# Altium PCB Fornello.PcbDoc (part 1 of 2)
Units mm, origin at the board's own origin, x right, y up, seen from the top; angles counter-clockwise.
Board outline 100.06 x 100.02 mm, 2 copper layers (Top Layer, Bottom Layer); 286 components, 164 nets, 810 pads, 343 vias.
Unrouted connection lines stored in the file: 100.
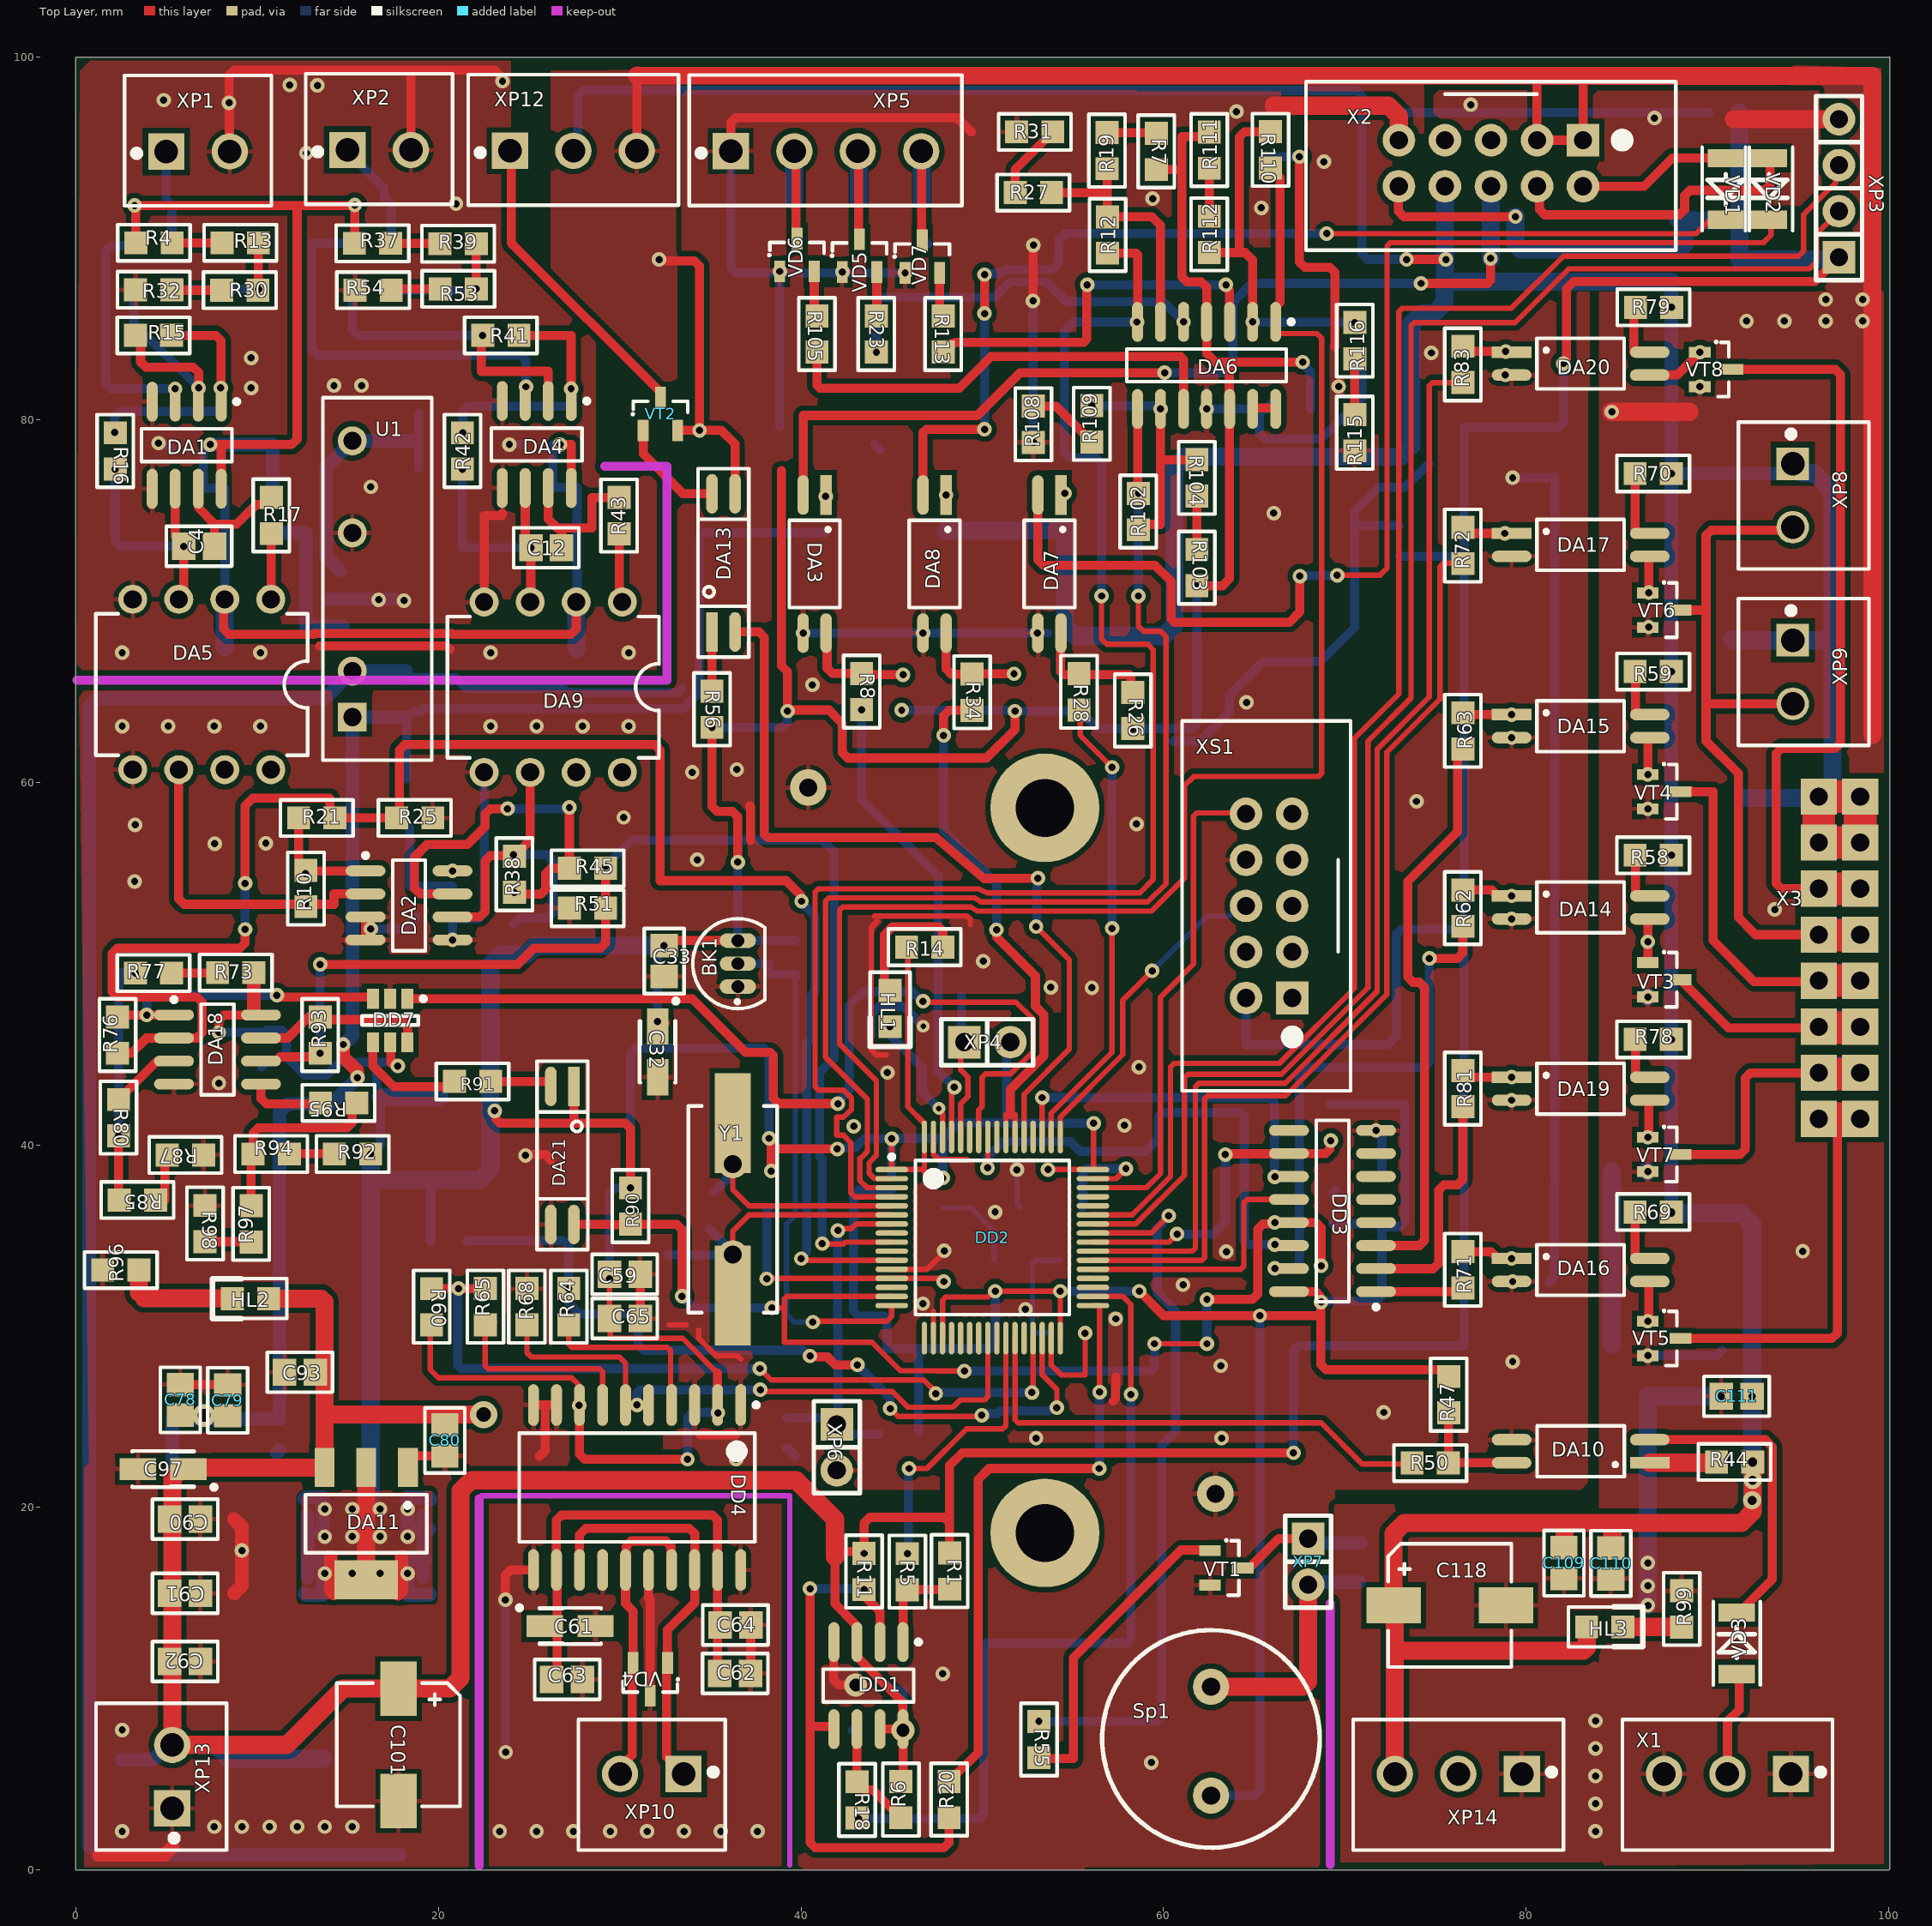
[diagram p0: Top Layer view]
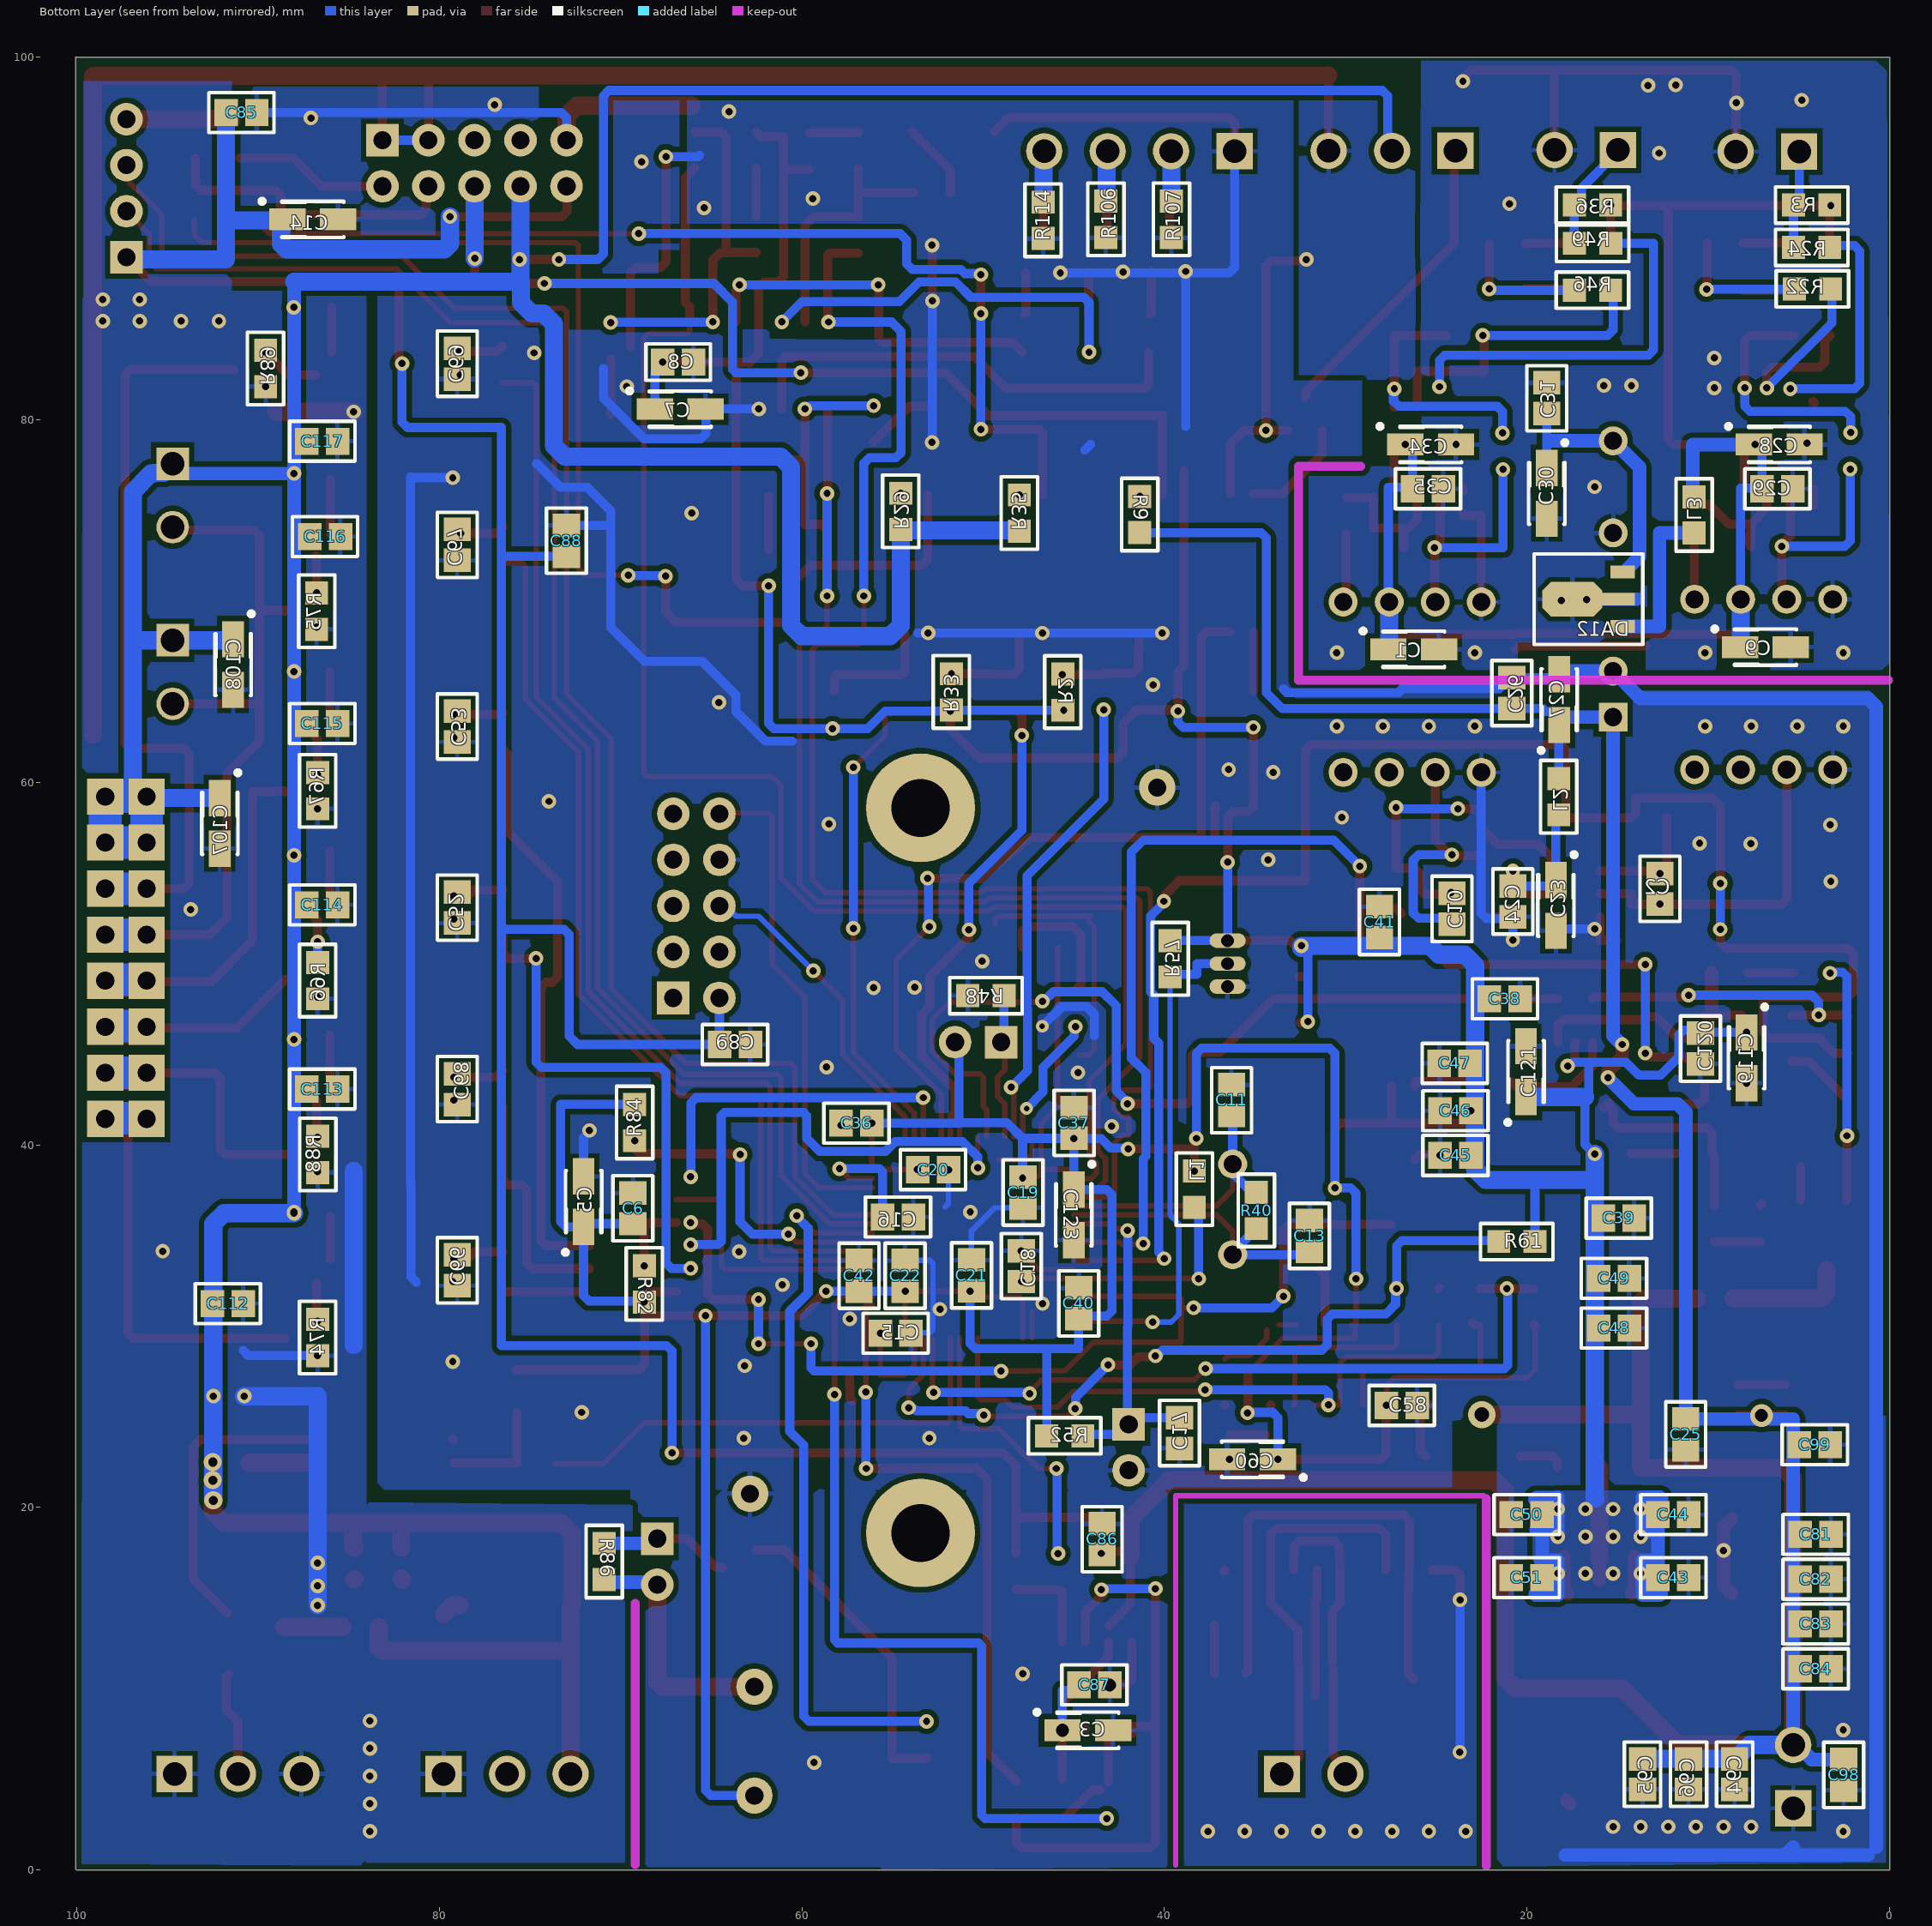
[diagram p1: Bottom Layer view, seen from below]

## Layer stack, top to bottom
Top Solder: solder mask 0.0102, Solder Resist, Dk 3.5
Top Layer: signal copper 0.0356
Dielectric 1: dielectric 0.32, FR-4, Dk 4.8
Bottom Layer: signal copper 0.0356
Bottom Solder: solder mask 0.0102, Solder Resist, Dk 3.5

## Board outline
0,0 0,100 0.028,100.016 100.028,100.016 100.056,100.019 100.056,0.019 100.003,0.002

## Design rules (kind name [scope] priority, off if disabled: settings)
Clearance Clearance_poly [inpolygon] p1: gap=0.3 ignorepadtopadclearanceinfootprint=FALSE
Clearance [All] p2: gap=0.2 ignorepadtopadclearanceinfootprint=FALSE
HoleSize [All] p1: absolutevalues=TRUE maxlimit=5 minlimit=0.3 maxpercent=80.000 minpercent=20.000
MinimumSolderMaskSliver [All] p1: minsoldermaskwidth=0.1
MinimumSolderMaskSliver SilkscreenOverComponentPads [All] p2: minsoldermaskwidth=0.254
PolygonConnect PolygonConnect_vias [isvia] p1: connectstyle=Direct reliefconductorwidth=0.254 reliefentries=4 polygonreliefangle="90 Angle" airgapwidth=0.254
PolygonConnect [All] p2: connectstyle=Relief reliefconductorwidth=0.25 reliefentries=4 polygonreliefangle="90 Angle" airgapwidth=0.254
RoutingVias [All] p1: holewidth=0.4 width=0.8 viastyle="Through Hole" minholewidth=0.25 minwidth=0.7 maxholewidth=5 maxwidth=8
SolderMaskExpansion SolderMaskExpansion_vias [isvia] p1: expansion=-2 istentingtop=FALSE
SolderMaskExpansion [All] p2: expansion=0.1 istentingtop=FALSE
SupplyNets "Schematic Supply Nets_4" [InNet('3.3V')] p1: voltage=0.000
SupplyNets "Schematic Supply Nets_3" [InNet('AGND')] p2: voltage=0.000
SupplyNets "Schematic Supply Nets_2" [InNet('GND')] p3: voltage=0.000
SupplyNets "Schematic Supply Nets_1" [InNet('GND12V')] p4: voltage=0.000
SupplyNets "Schematic Supply Nets" [InNet('G4851')] p5: voltage=0.000
Width [All] p1: maxlimit=8 minlimit=0.25 preferedwidth=0.5
28 further rules are at their usual default settings.

## Components (designator, comment, footprint, x,y, rotation, side; value= is the part's Value field where it differs from the comment)
BK1 "DS18B20" TO-92 36.516,50.004 r0 top
C1 "6.8uF" TC3216-1206-A 26.248,67.348 r180 bottom
C2 "100pF" cap0805 12.665,54.13 r90 bottom
C3 "6.8uF" TC3216-1206-A 44.231,7.71 r180 bottom
C4 "100pF" cap0805 6.798,73.027 r0 top locked
C5 "6.8uF" TC3216-1206-A 72.048,36.876 r90 bottom
C6 "100n" cap0805 69.325,36.507 r90 bottom
C7 "6,8uF" TC3216-1206-A 66.713,80.597 r180 bottom
C8 "0.1uF" cap0805 66.831,83.187 r180 bottom
C9 "6.8uF" TC3216-1206-A 6.848,67.465 r180 bottom
C10 "100pF" cap0805 24.146,53.024 r90 bottom
C11 "20 pF" cap0805 36.296,42.471 r90 bottom
C12 "100pF" cap0805 25.949,72.951 r0 top locked
C13 "20 pF" cap0805 32.003,34.98 r90 bottom
C14 "6.8uF" TC3216-1206-A 86.985,91.061 r180 bottom
C15 "2.2uF" cap0805 54.829,29.619 r180 bottom
C16 "2.2uF" cap0805 54.7,36.028 r180 bottom
C17 "100 nF" cap0805 39.173,24.107 r270 bottom
C18 "100n" cap0805 47.904,33.314 r270 bottom
C19 "100n" cap0805 47.802,37.379 r270 bottom
C20 "100n" cap0805 52.769,38.636 r180 bottom
C21 "100n" cap0805 50.647,32.807 r90 bottom
C22 "100n" cap0805 54.305,32.78 r90 bottom
C23 "6.8uF" TC3216-1206-A 18.405,53.215 r270 bottom
C24 "0.1uF" cap0805 20.78,53.43 r90 bottom
C25 "100n" cap0805 11.243,24.031 r270 bottom
C26 "0.1uF" cap0805 20.844,64.925 r270 bottom
C27 "6.8uF" TC3216-1206-A 18.228,64.566 r90 bottom
C28 "6.8uF" TC3216-1206-A 6.086,78.641 r180 bottom
C29 "0.1uF" cap0805 6.188,76.202 r0 bottom
C30 "6.8uF" TC3216-1206-A 18.913,75.945 r270 bottom
C31 "0.1uF" cap0805 18.913,81.193 r270 bottom
C32 "6.8uF" TC3216-1206-A 32.096,45.138 r270 top
C33 "100n" cap0805 32.452,50.142 r270 top locked
C34 "6.8uF" TC3216-1206-A 25.314,78.641 r180 bottom
C35 "0.1uF" cap0805 25.467,76.202 r0 bottom
C36 "100n" cap0805 56.995,41.201 r180 bottom
C37 "100n" cap0805 44.993,41.215 r270 bottom
C38 "100n" cap0805 21.221,48.059 r0 bottom
C39 "100n" cap0805 14.941,35.969 r0 bottom
C40 "100n" cap0805 44.733,31.26 r270 bottom
C41 "100n" cap0805 28.143,52.301 r270 bottom
C42 "100n" cap0805 56.855,32.782 r270 bottom
C43 "100n" cap0805 11.928,16.131 r0 bottom
C44 "100n" cap0805 11.928,19.611 r0 bottom
C45 "100n" cap0805 23.952,39.423 r0 bottom
C46 "100n" cap0805 23.952,41.887 r0 bottom
C47 "100n" cap0805 23.99,44.503 r0 bottom
C48 "100n" cap0805 15.203,29.898 r180 bottom
C49 "100n" cap0805 15.203,32.641 r180 bottom
C50 "100n" cap0805 20.017,19.611 r0 bottom
C51 "100n" cap0805 20.017,16.131 r0 bottom
C52 "100n" cap0805 79.016,53.092 r270 bottom
C53 "100n" cap0805 79.016,63.084 r270 bottom
C58 "100n" cap0805 26.914,25.631 r180 bottom
C59 "100n" cap0805 30.281,32.87 r0 top locked
C60 "6.8uF" TC3216-1206-A 35.144,22.659 r0 bottom
C61 "6.8uF" TC3216-1206-A 27.27,13.464 r0 top
C62 "100n" cap0805 36.375,10.848 r0 top locked
C63 "100n" cap0805 27.106,10.518 r0 top locked
C64 "10n" cap0805 36.389,13.515 r0 top locked
C65 "10n" cap0805 30.281,30.432 r0 top locked
C66 "100n" cap0805 79.016,33.085 r270 bottom
C67 "100n" cap0805 79.016,73.104 r270 bottom
C68 "100n" cap0805 79.016,43.081 r270 bottom
C69 "100n" cap0805 79.016,83.099 r270 bottom
C78 "100n" cap0805 5.756,25.936 r270 top
C79 "100n" cap0805 8.372,25.91 r270 top
C80 "100n" cap0805 20.361,23.701 r90 top
C81 "100n" cap0805 4.078,18.519 r0 bottom
C82 "100n" cap0805 4.078,16.047 r0 bottom
C83 "100n" cap0805 4.078,13.575 r0 bottom
C84 "100n" cap0805 4.078,11.102 r0 bottom
C85 "100n" cap0805 90.922,96.954 r0 bottom
C86 "100n" cap0805 43.442,18.251 r270 bottom
C87 "100n" cap0805 43.868,10.213 r0 bottom
C88 "100n" cap0805 73,73.332 r270 bottom
C89 "100n" cap0805 63.694,45.545 r0 bottom
C90 "100n" cap0805 6.027,19.357 r180 top locked
C91 "100n" cap0805 6.027,15.268 r180 top locked
C92 "100n" cap0805 6.029,11.509 r180 top locked
C93 "100n" cap0805 12.36,27.46 r0 top locked
C94 "10n" cap0805 8.55,5.286 r90 bottom
C95 "100n" cap0805 13.63,5.286 r90 bottom
C96 "100n" cap0805 11.09,5.286 r90 bottom
C97 "6.8uF" TC3216-1206-A 4.817,22.117 r180 top locked
C98 "100n" cap0805 2.53,5.247 r270 bottom
C99 "10n" cap0805 4.122,23.464 r180 bottom
C101 "220uF" 6.3D 17.796,6.911 r270 top locked
C107 "6.8uF" TC3216-1206-A 92.116,57.737 r270 bottom
C108 "6.8uF" TC3216-1206-A 91.38,66.5 r270 bottom
C109 "100n" cap0805 82.093,16.932 r270 top locked
C110 "100n" cap0805 84.684,16.919 r270 top locked
C111 "100n" cap0805 91.618,26.139 r180 top locked
C112 "100n" cap0805 91.669,31.244 r180 bottom
C113 "100n" cap0805 86.462,43.081 r180 bottom
C114 "100n" cap0805 86.462,53.241 r180 bottom
C115 "100n" cap0805 86.462,63.248 r180 bottom
C116 "100n" cap0805 86.309,73.561 r180 bottom
C117 "100n" cap0805 86.462,78.819 r180 bottom
C118 "220uF" 6.3D 75.794,14.604 r0 top locked
C119 "6.8uF" TC3216-1206-A 7.89,44.808 r270 bottom
C120 "0.1uF" cap0805 10.43,45.316 r270 bottom
C121 "6.8uF" TC3216-1206-A 20.059,44.046 r90 bottom
C123 "6.8uF" TC3216-1206-A 45.008,36.141 r270 bottom
DA1 "AD8602ARZ" SO-8 6.116,78.604 r270 top locked
DA2 "AD8602ARZ" SO-8 18.38,53.215 r0 top locked
DA3 "PS2801" SOP4 40.754,72.047 r180 top
DA4 "AD8602ARZ" SO-8 25.426,78.641 r270 top locked
DA5 "HCNR200-000E" DIP8 6.946,65.403 r180 top
DA6 "AD8604ARZ" SO-14 62.378,83.006 r270 top
DA7 "PS2801" SOP4 53.71,72.047 r180 top locked
DA8 "PS2801" SOP4 47.37,72.047 r180 top locked
DA9 "HCNR200-000E" DIP8 26.334,65.255 r180 top
DA10 "PS2801" SOP4 83.016,23.104 r90 top locked
DA11 "LM1117MP-3.3" SOT223 16.016,19.104 r180 top locked
DA12 "L78L33ACUTR" SOT89 16.123,70.106 r90 bottom
DA13 "PS2801" SOP4 35.728,72.113 r0 top locked
DA14 "PS2801" SOP4 83.016,53.104 r270 top locked
DA15 "PS2801" SOP4 83.016,63.104 r270 top locked
DA16 "PS2801" SOP4 83.016,33.104 r270 top locked
DA17 "PS2801" SOP4 83.016,73.104 r270 top locked
DA18 "AD8602ARZ" SO-8 7.814,45.265 r0 top locked
DA19 "PS2801" SOP4 83.016,43.104 r270 top locked
DA20 "PS2801" SOP4 83.016,83.104 r270 top locked
DA21 "PS2801" SOP4 26.838,39.423 r180 top
DD1 "" SO-8_N 43.725,10.177 r270 top
DD2 "STM32F405RGT6" LQFP64 50.558,34.891 r0 top
DD3 "MC74HC595AD" SO-16 69.325,36.357 r180 top locked
DD4 "ADM2587E" SO-20_N 30.96,21.104 r270 top locked
DD7 "SN74LVC1G97" SOT23-6 17.339,46.865 r270 top locked
HL1 "KP-2012SGC" Led0805 44.914,47.526 r270 top
HL2 "KP-2012SRC" Led0805 9.633,31.524 r180 top locked
HL3 "KP-2012SRC" Led0805 84.344,13.414 r0 top locked
L1 "0.47uH" res0805 38.354,37.56 r270 bottom
L2 "0.47uH" 0805 18.253,59.21 r270 bottom
L3 "0.47uH" 0805 10.785,74.755 r90 bottom
R1 "4.7k" res0805 48.203,16.493 r270 top
R2 "1k" res0805 45.609,64.985 r270 bottom
R3 "1k" res0805 4.299,91.849 r180 bottom
R4 "4k" res0805 4.308,89.766 r180 top locked
R5 "100" res0805 45.866,16.458 r270 top
R6 "4.7k" res0805 45.511,3.885 r90 top
R7 "2.4k" res0805 59.604,94.811 r270 top
R8 "470" res0805 43.348,65.01 r270 top locked
R9 "470" res0805 41.367,74.78 r270 bottom
R10 "150k" res0805 12.69,54.146 r90 top locked
R11 "4.7k" res0805 43.479,16.468 r270 top
R12 "200k" res0805 56.912,90.198 r270 top
R13 "600" res0805 9.068,89.766 r180 top locked
R14 "300" res0805 46.828,50.913 r0 top
R15 "51k" res0805 4.283,84.661 r0 top locked
R16 "100k" res0805 2.175,78.285 r270 top locked
R17 "100" res0805 10.785,74.729 r270 top locked
R18 "100" res0805 43.098,3.869 r270 top
R19 "2.4k" res0805 56.885,94.855 r90 top
R20 "100" res0805 48.174,3.889 r90 top
R21 "1k" res0805 13.291,58.041 r0 top locked
R22 "10k" res0805 4.258,87.226 r180 bottom
R23 "39k" res0805 44.161,84.737 r270 top
R24 "10k" res0805 4.299,89.512 r180 bottom
R25 "2.4k" res0805 18.694,58.041 r180 top locked
R26 "1k" res0805 58.309,63.969 r270 top locked
R27 "510" res0805 52.822,92.535 r0 top
R28 "470" res0805 55.337,65.001 r270 top locked
R29 "1k" res0805 54.55,74.952 r270 bottom
R30 "7.5k" res0805 9.042,87.15 r0 top locked
R31 "100" res0805 52.899,95.887 r0 top
R32 "0" res0805 4.292,87.175 r0 top locked
R33 "1k" res0805 51.756,64.992 r270 bottom
R34 "470" res0805 49.444,64.976 r270 top locked
R35 "1k" res0805 48.005,74.857 r270 bottom
R36 "1k" res0805 16.389,91.849 r180 bottom
R37 "1k" res0805 16.364,89.741 r180 top locked
R38 "150k" res0805 24.197,54.933 r270 top locked
R39 "0" res0805 21.088,89.715 r180 top locked
R40 "1M" res0805 34.936,36.386 r90 bottom
R41 "1k" res0805 23.444,84.661 r0 top locked
R42 "100k" res0805 21.326,78.285 r270 top locked
R43 "100" res0805 29.962,74.72 r270 top locked
R44 "1k" res0805 91.507,22.507 r180 top locked
R45 "1k" res0805 28.227,55.265 r0 top locked
R46 "10k" res0805 16.389,87.15 r180 bottom
R47 "1k" res0805 75.733,26.225 r90 top locked
R48 "10k" res0805 49.849,48.237 r180 bottom
R49 "10k" res0805 16.383,89.741 r180 bottom
R50 "470" res0805 74.717,22.456 r180 top locked
R51 "2.2k" res0805 28.227,53.065 r0 top locked
R52 "10k" res0805 45.507,23.955 r180 bottom
R53 "7.5k" res0805 21.098,87.226 r0 top locked
R54 "0" res0805 16.399,87.15 r0 top locked
R55 "1k" res0805 53.127,7.2 r270 top
R56 "330" res0805 35.093,64.036 r270 top locked
R57 "4.7k" res0805 39.691,50.269 r90 bottom
R58 "1k" res0805 87.016,55.984 r0 top locked
R59 "1k" res0805 87.016,66.119 r0 top locked
R60 "4.7k" res0805 19.625,31.076 r270 top
R61 "4.7k" res0805 20.564,34.673 r180 bottom
R62 "330" res0805 76.516,53.063 r90 top locked
R63 "330" res0805 76.516,62.842 r90 top locked
R64 "100" res0805 27.194,31.078 r90 top locked
R65 "100" res0805 22.596,31.078 r90 top locked
R66 "1k" res0805 86.716,49.066 r90 bottom
R67 "1k" res0805 86.716,59.539 r90 bottom
R68 "4.7k" res0805 24.882,31.078 r90 top locked
R69 "1k" res0805 87.016,36.299 r0 top locked
R70 "1k" res0805 87.016,77.041 r0 top locked
R71 "330" res0805 76.516,33.115 r90 top locked
R72 "330" res0805 76.516,73.069 r90 top locked
R73 "220" res0805 8.82,49.507 r0 top locked
R74 "1k" res0805 86.716,29.374 r90 bottom
R75 "1k" res0805 86.771,69.447 r90 bottom
R76 "100M" res0805 2.302,46.062 r90 top locked
R77 "1.5k" res0805 4.283,49.482 r0 top locked
R78 "1k" res0805 87.016,45.824 r0 top locked
R79 "1k" res0805 87.036,86.21 r0 top locked
R80 "39k" res0805 2.353,41.506 r90 top locked
R81 "330" res0805 76.516,43.106 r90 top locked
R82 "4.7k" res0805 68.697,32.337 r270 bottom
R83 "330" res0805 76.516,83.06 r90 top locked
R84 "4.7k" res0805 69.231,41.236 r90 bottom
R85 "20k" res0805 3.394,36.959 r180 top locked
R86 "10k" res0805 70.907,17.02 r270 bottom
R87 "3.3k" res0805 6.045,39.449 r180 top locked
R88 "1k" res0805 86.706,39.474 r90 bottom
R89 "1k" res0805 89.591,82.831 r90 bottom
R90 "3.3k" res0805 30.597,36.629 r90 top
R91 "300" res0805 21.885,43.505 r180 top
R92 "0" res0805 15.265,39.499 r0 top locked
R93 "100M" res0805 13.478,46.062 r90 top locked
R94 "470" res0805 10.776,39.499 r0 top locked
R95 "39k" res0805 14.494,42.319 r180 top locked
R96 "470" res0805 2.48,33.099 r180 top locked
R97 "2.4k" res0805 9.668,35.648 r90 top locked
R98 "3.3k" res0805 7.128,35.664 r270 top locked
R99 "2k" res0805 88.586,14.404 r90 top locked
R102 "200k" res0805 58.614,74.942 r90 top
R103 "2.4k" res0805 61.839,71.85 r270 top
R104 "2.4k" res0805 61.839,76.803 r270 top
R105 "39k" res0805 40.884,84.737 r270 top
R106 "4.3k" res0805 43.235,91.061 r90 bottom
R107 "4.3k" res0805 39.616,91.061 r90 bottom
R108 "100" res0805 52.822,79.758 r90 top
R109 "510" res0805 56.048,79.784 r90 top
R110 "200k" res0805 65.903,94.897 r270 top
R111 "2.4k" res0805 62.525,94.881 r90 top
R112 "2.4k" res0805 62.525,90.233 r90 top
R113 "39k" res0805 47.844,84.737 r270 top
R114 "4.3k" res0805 46.696,91.011 r90 bottom
R115 "100" res0805 70.552,79.292 r90 top
R116 "510" res0805 70.552,84.372 r90 top
Sp1 "Speaker" Speaker 62.622,7.109 r0 top
U1 "AM1D-0505SH30N" SIP7S 17.028,71.224 r90 top
VD1 "TZMC4V7" SOD80 91.015,92.743 r270 top locked
VD2 "TZMC4V7" SOD80 93.406,92.743 r270 top locked
VD3 "TZMC4V7" SOD80 91.627,12.51 r90 top locked
VD4 "SM712-02HTG" SOT23 31.69,10.518 r270 top locked
VD5 "BAV99" SOT23 43.235,89.061 r90 top
VD6 "BAV99" SOT23 39.782,89.091 r90 top
VD7 "BAV99" SOT23 46.696,89.011 r90 top
VT1 "IRLML2803TR" SOT23 63.465,16.665 r0 top
VT2 "IRLML2803TR" SOT23 32.248,80.317 r90 top
VT3 "IRLML2803TR" SOT23 87.616,49.116 r0 top locked
VT4 "IRLML2803TR" SOT23 87.616,59.489 r0 top locked
VT5 "IRLML2803TR" SOT23 87.616,29.324 r0 top locked
VT6 "IRLML2803TR" SOT23 87.616,69.504 r0 top locked
VT7 "IRLML2803TR" SOT23 87.616,39.474 r0 top locked
VT8 "IRLML2803TR" SOT23 90.491,82.781 r0 top locked
X1 "15EDGVC-3.5-03P" 15EDGVC-3.5-03P-2 92.862,5.304 r180 top
X2 "IDC-10" IDC-10 78.066,94.157 r180 top
X3 "PBD-16" Pl_connect 97.291,41.44 r0 top
XP1 "15EDGVC-3.5-02P" 15EDGVC-3.5-02P#1 6.74,94.804 r0 top
XP2 "15EDGVC-3.5-02P" 15EDGVC-3.5-02P#1 16.732,94.889 r0 top
XP3 "PLS-4" PLS4 97.268,92.781 r0 top
XP4 "PLS-2" PLS2 50.281,45.672 r270 top
XP5 "15EDGVC-3.5-04P" 15EDGVC-3.5-04P 36.135,94.821 r0 top
XP6 "PLS-2" PLS2 41.977,23.32 r180 top
XP7 "PLS-2" PLS2 67.981,17.011 r180 top
XP8 "15EDGVC-3.5-02P" 15EDGVC-3.5-02P#2 94.716,75.829 r270 top
XP9 "15EDGVC-3.5-02P" 15EDGVC-3.5-02P#2 94.716,66.088 r270 top
XP10 "15EDGVC-3.5-02P" 15EDGVC-3.5-02P#1 31.772,5.304 r180 top
XP12 "15EDGVC-3.5-03P" 15EDGVC-3.5-03P-2 25.696,94.842 r0 top
XP13 "15EDGVC-3.5-02P" 15EDGVC-3.5-02P#1 5.316,5.154 r90 top locked
XP14 "15EDGVC-3.5-03P" 15EDGVC-3.5-03P-2 78.016,5.304 r180 top
XS1 "IDC-10" IDC-10 65.827,53.19 r90 top
Y1 "8MHz" XT49M 36.238,36.449 r270 top
